# KiCad board trifecta.kicad_pcb (continued)
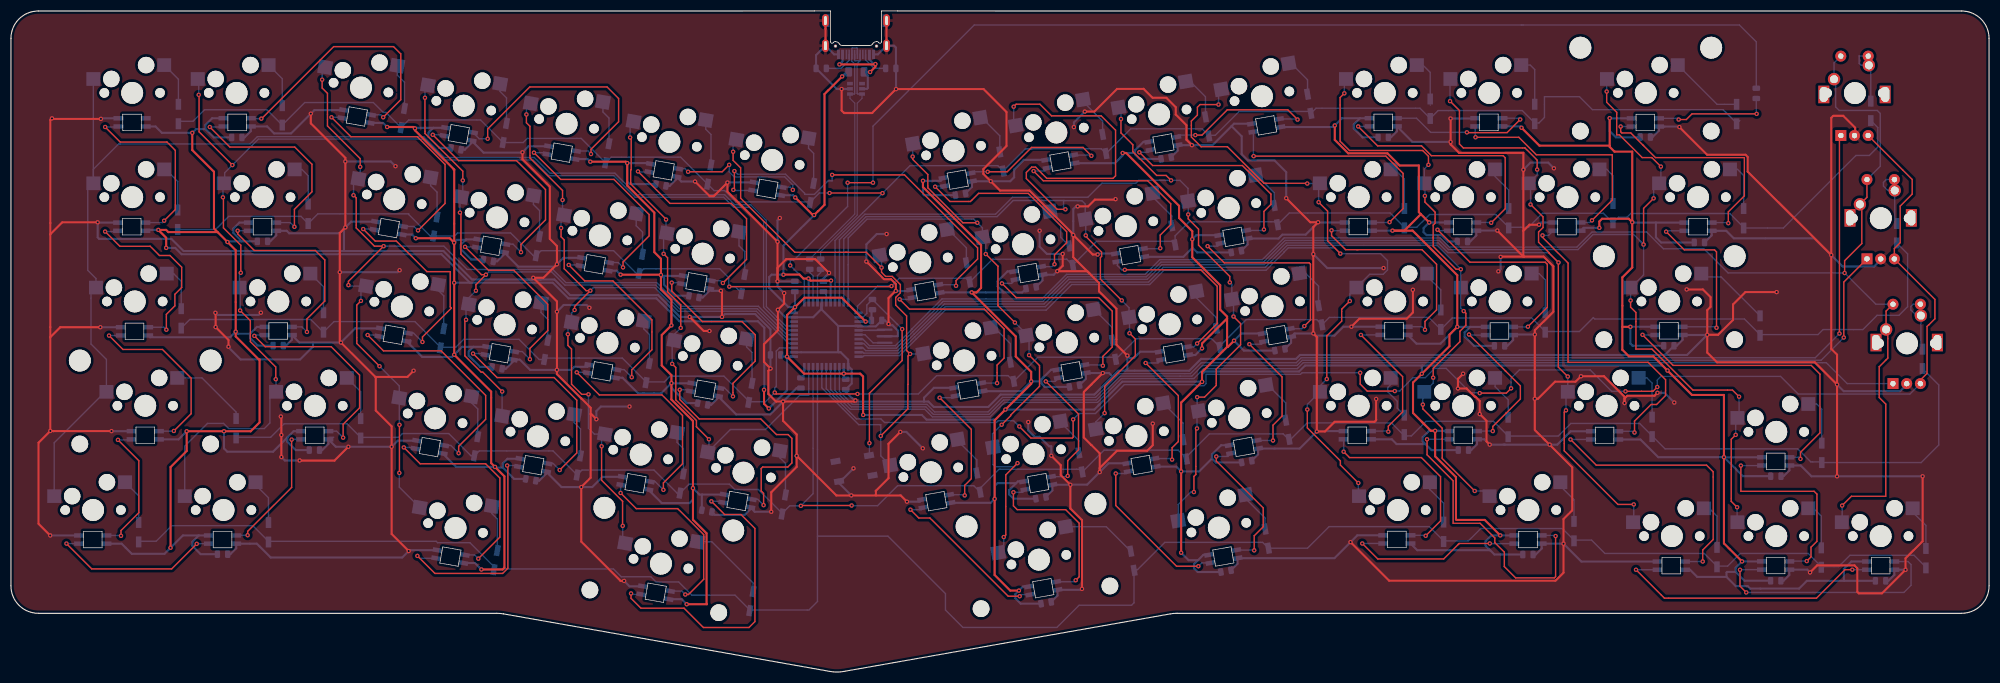
[diagram p0: board, top side]
## Nets (continued)
Net-(D_45-Pad2): D_45.2 K_45.2
Net-(D_47-Pad2): D_47.2 K_47.2
Net-(D_48-Pad2): D_48.2 K_48.2
Net-(D_49-Pad2): D_49.2 K_49.2
Net-(D_50-Pad2): D_50.2 K_50.2
Net-(D_51-Pad2): D_51.2 K_51.2
Net-(D_52-Pad2): D_52.2 K_52.2
Net-(D_53-Pad2): D_53.2 K_53.2
Net-(D_54-Pad2): D_54.2 K_54.2
Net-(D_55-Pad2): D_55.2 K_55.2
Net-(D_56-Pad2): D_56.2 K_56.2
Net-(D_57-Pad2): D_57.2 K_57.2
Net-(D_58-Pad2): D_58.2 K_58.2
Net-(D_59-Pad2): D_59.2 K_59.2
Net-(D_60-Pad2): D_60.2 K_60.2
Net-(D_62-Pad2): D_62.2 K_62.2
Net-(D_63-Pad2): D_63.2 K_63.2
Net-(D_64-Pad2): D_64.2 K_64.2
Net-(D_65-Pad2): D_65.2 K_65.2
Net-(D_66-Pad2): D_66.2 K_66.2
Net-(D_67-Pad2): D_67.2 K_67.2
Net-(D_68-Pad2): D_68.2 K_68.2
Net-(D_69-Pad2): D_69.2 K_69.2
Net-(D_70-Pad2): D_70.2 K_70.2
Net-(D_71-Pad2): D_71.2 K_71.2
Net-(D_72-Pad2): D_72.2 K_72.2
Net-(J1-PadA5): J1.A5 R2.2
Net-(J1-PadA8): J1.A8
Net-(J1-PadB5): J1.B5 R3.2
Net-(J1-PadB8): J1.B8
Net-(LED1-Pad2): LED1.2
Net-(LED1-Pad4): LED1.4 LED17.2
Net-(LED2-Pad4): LED2.4 LED3.2
Net-(LED4-Pad4): LED4.4 LED5.2
Net-(LED6-Pad4): LED6.4 LED7.2
Net-(LED8-Pad4): LED8.4 LED9.2
Net-(LED10-Pad2): LED10.2 LED26.4
Net-(LED10-Pad4): LED10.4 LED11.2
Net-(LED11-Pad4): LED11.4 LED27.2
Net-(LED12-Pad2): LED12.2 LED28.4
Net-(LED12-Pad4): LED12.4 LED13.2
Net-(LED13-Pad4): LED13.4 LED29.2
Net-(LED15-Pad2): LED15.2 LED30.4
Net-(LED15-Pad4): LED15.4 R7.1
Net-(LED17-Pad4): LED17.4 LED33.2
Net-(LED18-Pad2): LED18.2 LED34.4
Net-(LED18-Pad4): LED2.2 LED18.4
Net-(LED19-Pad2): LED3.4 LED19.2
Net-(LED19-Pad4): LED19.4 LED35.2
Net-(LED20-Pad2): LED20.2 LED36.4
Net-(LED20-Pad4): LED4.2 LED20.4
Net-(LED21-Pad2): LED5.4 LED21.2
Net-(LED21-Pad4): LED21.4 LED37.2
Net-(LED22-Pad2): LED22.2 LED38.4
Net-(LED22-Pad4): LED6.2 LED22.4
Net-(LED23-Pad2): LED7.4 LED23.2
Net-(LED23-Pad4): LED23.4 LED39.2
Net-(LED24-Pad2): LED24.2 LED40.4
Net-(LED24-Pad4): LED8.2 LED24.4
Net-(LED25-Pad2): LED9.4 LED25.2
Net-(LED25-Pad4): LED25.4 LED41.2
Net-(LED26-Pad2): LED26.2 LED42.4
Net-(LED27-Pad4): LED27.4 LED43.2
Net-(LED28-Pad2): LED28.2 LED44.4
Net-(LED29-Pad4): LED29.4 LED59.2
Net-(LED30-Pad2): LED30.2 LED45.4
Net-(LED33-Pad4): LED33.4 LED47.2
Net-(LED34-Pad2): LED34.2 LED48.4
Net-(LED35-Pad4): LED35.4 LED49.2
Net-(LED36-Pad2): LED36.2 LED50.4
Net-(LED37-Pad4): LED37.4 LED51.2
Net-(LED38-Pad2): LED38.2 LED52.4
Net-(LED39-Pad4): LED39.4 LED53.2
Net-(LED40-Pad2): LED40.2 LED54.4
Net-(LED41-Pad4): LED41.4 LED55.2
Net-(LED42-Pad2): LED42.2 LED56.4
Net-(LED43-Pad4): LED43.4 LED57.2
Net-(LED44-Pad2): LED44.2 LED58.4
Net-(LED45-Pad2): LED45.2 LED60.4
Net-(LED47-Pad4): LED47.4 LED62.2
Net-(LED48-Pad2): LED48.2 LED63.4
Net-(LED49-Pad4): LED49.4 LED64.2
Net-(LED50-Pad2): LED50.2 LED64.4
Net-(LED51-Pad4): LED51.4 LED65.2
Net-(LED52-Pad2): LED52.2 LED65.4
Net-(LED53-Pad4): LED53.4 LED66.2
Net-(LED54-Pad2): LED54.2 LED66.4
Net-(LED55-Pad4): LED55.4 LED67.2
Net-(LED56-Pad2): LED56.2 LED67.4
Net-(LED57-Pad4): LED57.4 LED68.2
Net-(LED58-Pad2): LED58.2 LED69.4
Net-(LED59-Pad4): LED59.4 LED70.2
Net-(LED60-Pad2): LED60.2 LED71.4
Net-(LED62-Pad4): LED62.4 LED63.2
Net-(LED68-Pad4): LED68.4 LED69.2
Net-(LED70-Pad4): LED70.4 LED72.2
Net-(LED71-Pad2): LED71.2 LED72.4
Net-(R1-Pad2): R1.2 SW1.2 U1.13
Net-(R4-Pad1): R4.1 U1.4
Net-(R5-Pad1): R5.1 U1.3
Net-(R6-Pad2): R6.2 U1.33
Net-(U1-Pad16): U1.16 Y1.3
Net-(U1-Pad17): U1.17 Y1.1
Net-(U1-Pad42): U1.42
Net-(U2-Pad3): U2.3
Net-(U2-Pad4): U2.4

Pads without a net: SW1 3 4

## Via types
v1: diameter 0.8, hole 0.4, Top to Bottom, 446 vias

## Routing (per net, layer and track width the routed paths; a pad name or vN(x,y) marks a point on that pad's centre or on a via; arc(x,y) is an arc through that point)
+5V: length 1920.5
  Top w0.381: v1(289.87,81.14) 289.87,82.31 290.37,82.8 295.23,82.8 v1(295.88,82.16) ; 37.71,80.36 37.05,81.02 37.05,91.38 33.09,95.35 v1(33.09,98.5) ; 37.71,80.36 v1(39.51,78.56) 41.01,77.06 v1(41.01,62.17) 41.01,61.31 45.23,57.09 45.38,57.09 45.38,45.61 43.76,43.99 v1(38.88,43.99) v1(32.07,43.99) 32.07,40.38 29.12,37.43 v1(29.12,22.7) ; 37.71,80.36 28.72,80.36 28.31,80.77 v1(26.89,80.77) 28.32,79.33 v1(28.32,77.48) ; v1(73.88,79.24) 80.06,79.24 v1(80.88,78.43) ; v1(271.79,24.96) 268.97,27.79 263.82,27.79 263.71,27.89 263.71,35.61 259.9,39.41 v1(259.9,44.07) 259.13,44.07 257.91,45.28 ; v1(295.88,82.16) 295.88,95.06 292.63,95.06 291.76,95.94 291.76,96.16 ; v1(295.88,82.16) 295.88,73.9 294.07,72.1 294.07,63.06 ; 80.89,91.74 80.79,91.74 ; 80.89,91.74 80.89,91.79 73.73,98.95 v1(73.73,99.31) 73.47,99.56 v1(68.65,99.56) ; 80.89,91.74 v1(80.89,71.12) v1(80.89,57.96) 87.63,51.21 87.63,38.17 v1(88.34,37.47) 90.05,35.76 90.05,19.06 89.73,18.74 v1(85.86,18.74) ; v1(223.21,60.52) 222.06,59.38 221.94,59.38 ; v1(118.62,72.52) 118.56,72.59 v1(111.26,72.59) ; v1(118.62,72.52) 118.62,75.49 117.41,76.7 117.41,83.92 112.46,88.87 v1(112.46,92.97) 112.21,93.23 v1(105.73,93.23) ; v1(118.62,72.52) 118.62,69.92 120.53,68.02 v1(120.53,63.33) 118.77,61.57 118.77,56 120.53,54.24 v1(120.53,52.78) 120.53,49.79 124.46,45.85 v1(124.46,33.6) 124.46,27.82 126.94,25.34 126.94,12.45 127,12.39 v1(123.32,12.39) ; v1(295.53,63.06) 294.07,63.06 ; 294.07,63.06 294.07,58.87 295.28,57.67 299.72,57.67 v1(302.32,55.07) 306.77,50.62 312.61,50.62 v1(312.61,39.25) 312.61,23.5 v1(315.91,20.21) ; 257.3,83.64 256.94,84.01 256.94,92.53 253.43,92.53 251.2,94.76 244.05,94.76 241.59,97.21 v1(241.59,99.84) ; 257.3,83.64 v1(258.82,82.12) ; 257.3,83.64 254.29,80.63 v1(252.13,80.63) 255.8,80.63 263.95,72.48 v1(263.95,63.05) 262.52,61.62 262.52,59.54 v1(257.47,54.49) 255.87,52.89 255.87,47.32 257.91,45.28 ; 291.76,96.16 v1(291.76,101.18) ; 291.76,96.16 278.93,96.16 v1(275.66,99.43) ; v1(137.43,51.55) 137.43,49.01 v1(138.31,48.14) ; 221.94,59.38 217.36,54.81 v1(217.36,53.03) 213.55,49.22 v1(213.55,36.65) v1(213.55,21.79) ; 221.94,59.38 221.94,64.59 ; v1(155.98,64.02) 151.62,68.38 144.81,68.38 v1(143.09,66.66) 141.64,65.22 141.64,58.19 141.63,58.18 v1(141.63,57.62) 144.74,54.51 v1(151.99,54.51) 154.98,54.51 155.51,53.99 155.51,46.99 v1(155.53,46.96) ; v1(202.89,94.81) 203.52,94.81 213.17,85.16 213.17,82.94 215.59,80.53 v1(215.59,79.07) 215.59,75.76 220.68,70.67 220.68,66.2 221.94,64.94 221.94,64.59 ; v1(166.44,89.73) 166.44,88.59 177.04,77.99 177.04,70.18 176.22,69.35 v1(175.33,69.35) 183.37,61.3 183.37,57.64 186.19,54.83 v1(186.19,53.09) 186.19,52.65 v1(181.49,47.95) 179.52,45.98 v1(179.52,31.63) 179.52,17.72 182.36,14.88 v1(183.95,14.88) ; 257.91,45.28 257.47,45.72 ; v1(217.36,59.13) 217.36,60.02 221.94,64.59 ; v1(143.13,86.69) 146.34,83.48 v1(146.57,83.48) 147.29,84.2 147.32,84.2 148.47,85.35 148.47,105.58 v1(151.69,108.8) ; v1(149.67,71.51) 145.91,71.51 v1(145.54,71.88) 144.63,71.88 143.9,72.6 141,72.6 v1(140.98,72.59)
  Bottom w0.25: 72.87,60.73 72.85,60.7
  Bottom w0.381: LED70.1 306.43,18.68 307.74,17.38 313.08,17.38 ; C2.1 37.01,97.67 35.5,99.18 ; 297.18,97.69 292.89,97.69 291.76,98.81 v1(291.76,101.18) 291.8,101.15 LED15.1 ; 181.17,69.35 v1(175.33,69.35) 169.56,69.35 LED23.1 ; 181.17,69.35 180.06,70.46 180.06,71.38 181.87,73.19 LED24.1 ; 181.17,69.35 184.55,69.35 C24.1 ; LED21.1 110.52,73.32 v1(111.26,72.59) ; v1(38.88,43.99) 38.88,40.85 39.48,40.25 47.84,40.25 50.43,42.84 ; 183.44,34.5 180.04,34.5 179.52,33.98 v1(179.52,31.63) 178.8,30.91 LED53.1 ; 183.44,34.5 183.76,34.82 LED54.1 ; 183.44,34.5 182.16,33.22 182.16,32.46 182.95,31.67 C54.1 ; v1(120.53,52.78) 118.69,50.93 114.43,50.93 111.6,53.76 LED37.1 ; v1(120.53,52.78) 120.53,51.92 123.32,49.13 C38.1 ; v1(120.53,52.78) 120.56,52.74 LED38.1 ; v1(143.13,86.69) 142.72,87.1 LED7.1 ; 246.19,101.17 242.92,101.17 v1(241.59,99.84) 241.3,99.55 LED11.1 ; 246.19,101.17 245.07,100.05 245.07,99.29 246.67,97.69 ; 246.19,101.17 LED12.1 ; 205.14,94.91 205.14,95.32 206.68,96.86 LED10.1 ; 205.14,94.91 205.14,94.56 205.97,93.74 C10.1 ; 205.14,94.91 205.05,94.81 v1(202.89,94.81) 202.89,94.39 201.45,92.95 LED9.1 ; 198.68,48.92 202.81,53.05 217.35,53.05 v1(217.36,53.03) 217.36,54.38 217.89,54.9 235.08,54.9 236.17,55.99 257.57,55.99 ; 198.68,48.92 198.45,48.69 ; 198.68,48.92 197.71,47.95 v1(181.49,47.95) 179.64,46.1 167.09,46.1 166.23,46.96 v1(155.53,46.96) ; v1(73.73,99.31) 73.83,99.42 77.08,99.42 ; 43.63,61.79 44.88,63.05 LED34.1 ; 43.63,61.79 43.63,61.03 45.02,59.63 C34.1 ; 43.63,61.79 41.39,61.79 v1(41.01,62.17) 39.99,61.16 25.38,61.16 LED33.1 ; 82.97,78.94 82.08,78.05 82.08,77.29 84.01,75.35 C20.1 ; 82.97,78.94 81.38,78.94 v1(80.88,78.43) ; 82.97,78.94 83.06,79.03 LED20.1 ; 215.59,77.54 216.48,76.65 C26.1 ; 215.59,77.54 v1(215.59,79.07) 216.32,79.8 LED26.1 ; 215.59,77.54 215.59,77.48 213.96,75.85 LED25.1 ; v1(289.87,81.14) 286.98,81.14 LED29.1 ; LED62.1 20.2,23.45 22.06,21.59 28.01,21.59 v1(29.12,22.7) 31.37,24.95 34.27,24.95 ; 269.94,22.26 256.64,22.26 LED68.1 ; 269.94,22.26 269.09,23.11 269.09,23.87 270.18,24.96 v1(271.79,24.96) ; 269.94,22.26 270.73,21.47 C69.1 ; 34.27,24.95 LED63.1 ; 34.27,24.95 33.11,23.79 33.11,23.03 34.61,21.53 C63.1 ; v1(141.63,57.62) 141.63,51.47 v1(138.31,48.14) ; v1(141.63,57.62) 140.8,57.62 C13.1 ; v1(141.63,57.62) 143.09,57.62 ; 258.14,41.64 259.23,40.55 C58.1 ; 258.14,41.64 257.64,42.14 257.64,42.89 258.81,44.07 260.53,44.07 ; 258.14,41.64 252.87,41.64 252,42.51 LED57.1 ; 83.77,71.12 80.89,71.12 v1(80.89,71.12) ; 83.77,71.12 98.88,71.12 101.74,68.26 117.81,68.26 120.55,65.51 ; 83.77,71.12 78.56,76.33 31.13,76.33 29.98,77.48 v1(28.32,77.48) ; 154.49,64.02 v1(155.98,64.02) 156.83,64.02 C11.1 157.04,66.01 R1.1 ; LED5.1 105.25,93.7 v1(105.73,93.23) ; 42.13,78.68 39.64,78.68 v1(39.51,78.56) ; 42.13,78.68 C18.1 ; 42.13,78.68 40.58,80.24 40.58,80.99 41.68,82.1 LED18.1 ; v1(302.32,55.07) 301.4,55.99 257.57,55.99 ; 188.43,53.84 189.82,55.23 LED40.1 ; 188.43,53.84 187.68,53.09 v1(186.19,53.09) 184.4,51.31 LED39.1 ; 188.43,53.84 188.06,53.47 188.06,52.71 188.69,52.09 C40.1 ; LED72.1 335.87,20.19 334.5,18.81 334.5,16.74 334.58,16.66 ; F1.1 152.53,109.64 v1(151.69,108.8) ; 246.67,97.69 246.64,97.67 ; 246.67,97.69 C12.1 ; C36.1 85.6,55.73 83.54,57.79 83.54,58.55 84.4,59.41 ; v1(312.61,39.25) 316.08,35.79 C60.1 ; v1(312.61,39.25) 312.63,39.23 LED60.1 ; v1(312.61,39.25) 300.61,39.25 297.38,42.48 LED59.1 ; 35.5,99.18 35.5,99.94 36.72,101.16 LED2.1 ; 35.5,99.18 33.77,99.18 v1(33.09,98.5) 27.55,98.5 26.39,99.65 LED1.1 ; 50.43,42.84 50.43,42.08 51.97,40.54 C48.1 ; 50.43,42.84 51.59,44 LED48.1 ; 266.31,63.05 v1(263.95,63.05) 260.87,59.98 256.51,59.98 LED43.1 ; 266.31,63.05 LED44.1 ; 266.31,63.05 265.3,62.04 265.3,61.28 266.99,59.59 C44.1 ; LED45.1 295.54,63.07 v1(295.53,63.06) 295.53,60.02 295.95,59.6 C45.1 ; v1(252.13,80.63) 252.12,80.62 LED27.1 ; C56.1 219.89,38.29 219.18,39 ; LED71.1 v1(315.91,20.21) 314.75,19.05 314.75,18.29 ; LED64.1 84.68,19.92 v1(85.86,18.74) ; 120.55,65.51 120.55,63.36 v1(120.53,63.33) ; 120.55,65.51 121.99,64.08 136.31,64.08 137.48,62.91 137.48,51.55 ; C50.1 91.83,35.29 89.76,37.35 ; 260.53,44.07 262.5,44.07 LED58.1 ; 260.53,44.07 v1(259.9,44.07) ; C67.1 216.58,18.28 215.91,18.95 215.91,19.71 216.63,20.43 ; LED6.1 116.64,92.97 v1(112.46,92.97) 112.46,89.61 112.93,89.13 C6.1 ; v1(213.55,21.79) 214.91,20.43 216.63,20.43 ; v1(143.09,66.66) 141.88,66.66 138.37,70.18 138.37,72.14 138.81,72.59 v1(140.98,72.59) 140.98,77.89 v1(146.57,83.48) ; v1(143.09,66.66) 143.09,65.62 ; v1(143.09,66.66) 143.09,69.45 C16.1 ; C72.1 334.58,16.66 ; 334.58,16.66 327.74,16.66 326.33,15.25 317.38,15.25 316.93,15.69 314.77,15.69 313.08,17.38 ; LED35.1 75.06,57.55 80.48,57.55 v1(80.89,57.96) 82.34,59.41 84.4,59.41 ; v1(295.88,82.16) 295.94,82.1 300.2,82.1 ; 300.2,82.1 300.2,79.41 301.15,78.47 C30.1 ; 300.2,82.1 LED30.1 ; 151.99,55.92 v1(151.99,54.51) 151.99,53.84 C9.1 ; C28.1 262.23,78.64 261.05,79.82 258.32,79.82 257.8,80.34 257.8,81.1 v1(258.82,82.12) LED28.1 ; 89.76,37.35 89.76,38.11 90.62,38.96 LED50.1 ; 89.76,37.35 88.46,37.35 v1(88.34,37.47) 81.24,37.47 LED49.1 ; v1(257.47,54.49) 257.47,55.89 257.57,55.99 ; 219.18,39 219.18,39.76 220.85,41.44 LED56.1 ; 219.18,39 216.83,36.65 v1(213.55,36.65) 212.68,37.52 LED55.1 ; C8.1 166.64,87.11 166.44,87.32 v1(166.44,89.73) 169.67,89.73 LED8.1 ; 145.59,67.32 145.59,71.83 v1(145.54,71.88) ; 126.14,32.42 LED52.1 ; 126.14,32.42 125.64,32.42 v1(124.46,33.6) 124.46,31.5 123.83,30.87 118.76,30.87 LED51.1 ; 126.14,32.42 126.08,32.36 C52.1 ; LED13.1 275.42,99.67 v1(275.66,99.43) ; 313.08,17.38 313.08,18.19 313.19,18.29 314.75,18.29 ; U1.7 149.59,71.42 v1(149.67,71.51) ; C66.1 184.27,12.5 183.3,13.47 183.3,14.23 v1(183.95,14.88) 184.7,15.63 LED66.1 ; 84.4,59.41 LED36.1 ; 216.63,20.43 217.61,21.41 LED67.1 ; 314.75,18.29 316.37,16.68 C71.1 ; v1(217.36,59.13) 216.14,57.9 LED41.1 ; LED19.1 73.2,79.92 v1(73.88,79.24) ; C22.1 121.19,68.75 119.19,70.75 119.19,71.95 v1(118.62,72.52) 118.78,72.36 LED22.1 ; v1(271.79,24.96) 271.47,24.96 ; v1(271.79,24.96) LED69.1 ; v1(26.89,80.77) 24.7,80.77 LED17.1 ; 77.08,99.42 LED4.1 ; 77.08,99.42 76.19,98.52 76.19,97.76 78.21,95.74 C4.1 ; LED47.1 30.58,42.5 v1(32.07,43.99) ; LED3.1 67.9,100.31 v1(68.65,99.56) ; LED65.1 122.4,13.31 v1(123.32,12.39) ; C42.1 225.01,58.72 v1(223.21,60.52) 224.53,61.85 LED42.1
GND: length 2454.6
  Top w0.381: v1(7.18,44.04) 5.04,41.9 5.04,27.08 v1(7.17,24.95) ; v1(7.18,44.04) 7.18,61.17 ; v1(7.18,44.04) 7.21,44.01 v1(18.35,44.01) ; v1(7.18,44.04) 7.17,44.03 ; v1(322.23,69.4) 316.53,69.4 314.28,67.15 314.28,64.33 311.54,61.6 v1(309.57,61.6) ; v1(163.52,31.12) 162.37,32.27 157.84,32.27 ; 66.49,53.91 v1(60.21,60.19) 60.01,60.4 v1(60.01,73.05) 60.01,80.21 v1(61.03,81.22) v1(61.03,93.26) 61.03,93.92 54.73,100.22 v1(54.73,102) ; 66.49,53.91 66.58,53.83 66.58,47.77 69.47,44.88 v1(69.47,41.16) 69.47,25.22 v1(72.58,22.11) ; 66.49,53.91 72.36,53.91 v1(73.49,55.04) ; 105.79,47.13 105.89,47.13 v1(106.83,46.19) ; 105.79,47.13 105.79,48.28 104.09,49.98 104.08,49.98 99.64,54.43 v1(99.64,55.19) v1(99.64,65.82) 99.64,67.7 v1(95.32,72.02) 97.16,72.02 v1(99.64,74.49) 99.64,77.83 98.34,79.12 98.34,88.68 93.35,93.67 v1(93.35,94.94) ; 105.79,47.13 105.79,35.5 v1(104.08,33.79) 104.08,23.82 111.26,16.64 v1(111.89,16.64) ; v1(305.82,69.89) 308.77,69.89 310.18,68.48 310.18,66.72 309.57,66.11 v1(309.57,61.6) ; v1(194.67,85.06) 196.59,85.06 197.82,86.3 201.5,86.3 v1(201.59,86.39) ; v1(143.39,39.5) 143.39,43.4 140.91,45.89 v1(140.91,49.41) ; v1(143.39,39.5) 150.63,32.27 v1(153.36,32.27) 157.84,32.27 ; v1(143.39,39.5) 143.39,37.48 138.75,32.84 v1(138.75,29.28) ; 157.84,32.27 157.84,33.11 160.15,35.42 160.15,41.7 v1(162.31,43.86) ; 196.79,72.84 196.41,73.22 v1(190.95,73.22) 191.94,74.21 v1(191.94,76.38) ; 196.79,72.84 198.57,71.06 198.57,69.54 201.74,66.37 201.74,59.8 v1(203.73,57.81) ; 196.79,72.84 193.87,75.76 v1(193.87,79.83) ; v1(195.46,15.18) 195.46,27.76 193.34,29.88 v1(193.34,34.21) 191.58,35.97 191.58,37.79 v1(189.86,39.51) ; 237.68,75.95 v1(237.68,76.34) ; 237.68,75.95 237.68,81.29 v1(238.55,82.17) 237.12,82.17 v1(232.73,86.56) ; 237.68,75.95 v1(237.68,61.85) 238.31,61.21 v1(238.31,43.95) 239.82,43.95 241.57,45.71 248.84,45.71 249.14,46 v1(249.14,49.89) ; 276.01,75.89 v1(271.25,80.65) ; 276.01,75.89 276.01,80.6 ; 276.01,75.89 276.21,75.89 ; 279.97,42.35 284.93,37.39 284.93,29.54 283.34,27.95 v1(283.34,23.44) 283.34,18.15 281.88,16.69 251.51,16.69 v1(244.47,23.73) ; 279.97,42.35 278.1,44.22 v1(278.1,49.92) ; 279.97,42.35 279.76,42.55 ; 7.18,79.97 7.18,100.83 v1(7.48,101.14) 7.58,101.04 v1(16.42,101.04) ; 7.18,79.97 9.36,82.15 v1(15.83,82.15) ; 7.18,79.97 7.18,61.17 ; v1(332.2,76.17) 316.94,91.42 316.94,94.1 316.56,94.49 309.54,94.49 v1(304.48,99.55) ; v1(332.2,76.17) 332.2,101.23 332.57,101.6 334.39,101.6 336.56,99.42 336.56,98.01 ; v1(332.2,76.17) 332.2,59.04 333.25,57.98 v1(333.25,52.52) ; 276.01,80.6 277.12,81.71 v1(278.87,81.71) ; 276.01,80.6 v1(276.01,91.76) 276.01,94.84 264.27,94.84 262.73,96.38 v1(262.73,96.84) v1(262.73,101.11) ; 276.21,75.89 279.7,75.89 281.47,74.12 281.47,65.8 278.1,62.43 v1(278.1,61.66) v1(278.1,49.92) ; 276.21,75.89 271.92,75.89 v1(271.86,75.83) ; 7.18,61.17 9.01,62.99 v1(16.31,62.99) ; v1(198.31,76.27) 197.43,76.27 v1(193.87,79.83) ; v1(300.49,51.01) 299.94,50.47 294.98,50.47 294.46,49.95 v1(294.46,49.14) 294.46,50.3 290.72,54.04 v1(286.52,54.04) 285.53,53.04 281.79,53.04 278.68,49.92 v1(278.1,49.92) ; v1(61.57,41.16) 59.04,38.62 52.71,38.62 v1(52.69,38.65) ; v1(333.25,52.52) 329.19,56.59 311.34,56.59 309.57,58.36 v1(309.57,61.6) ; v1(333.25,52.52) v1(333.25,35.76) ; v1(215.52,96.25) 214.52,97.25 214.52,99.88 212.57,101.83 212.57,103.19 210.85,104.9 208.34,104.9 206.72,106.52 201.85,106.52 197.71,102.38 v1(195.97,102.38) ; v1(140.91,49.41) 153.91,49.41 v1(154.12,49.62) ; v1(140.91,49.41) 139.62,49.41 138.22,50.8 138.22,55.04 v1(138.62,55.44) 137.42,56.65 137.42,59.89 139.96,62.43 v1(139.96,66.17) 141.1,67.32 v1(141.1,69.22) ; v1(348.87,35.76) 348.87,23.89 345.75,20.77 v1(345.75,18.68) 341.45,14.38 337.22,14.38 336.96,14.64 336.96,18.95 336.42,19.48 329.62,19.48 v1(328.33,18.19) ; v1(199.26,54.62) 195.79,51.15 195.79,42.85 197.16,41.47 197.17,41.47 198.7,39.95 v1(198.7,36.52) 198.7,37.27 201.84,40.42 207.36,40.42 208.37,41.43 v1(208.37,45.38) ; v1(160.16,63.58) 160.16,68.34 161.42,69.6 v1(161.48,69.6) 161.48,70.88 160.61,71.76 159.34,71.76 v1(156.11,74.99) ; J1.S1 J1.S1 ; v1(255.85,69.82) 255.85,65.67 254.73,64.55 246.1,64.55 v1(244.62,63.08) ; v1(151.59,106.5) 151.59,102.57 152.04,102.12 157.15,102.12 v1(161.52,106.49) 177.5,106.49 181.68,102.31 181.68,96.08 177.46,91.86 177.46,91 v1(178.81,89.66) 180.51,87.96 185.87,87.96 193.87,79.95 v1(193.87,79.83) ; v1(49.25,46.68) 49.35,46.58 v1(49.35,43.3) v1(49.35,39.28) ; v1(149.29,72.9) 146.76,75.43 141.49,75.43 139.89,73.83 v1(139.89,71.38) v1(139.89,78.61) 130.75,87.75 v1(130.75,89.42) 128.27,86.94 127.51,86.94 v1(124.84,89.61) ; v1(129.56,69.64) 129.76,69.44 v1(129.76,64.87) ; v1(127.47,62.3) 126.43,62.3 v1(123.87,64.87) ; v1(39.7,59.43) 39.7,60.67 v1(37.35,63.02) 37.35,65.65 37.33,65.65 v1(37.31,65.62) ; J1.S1 J1.S1 ; v1(265.01,54.49) 264.07,53.55 v1(264.07,51.8) 265.65,51.8 267.14,50.31 267.26,50.31 268.04,49.52 v1(268.04,47.13) 269.29,45.88 269.29,42.12 v1(269.87,41.54) ; 45.58,65.67 v1(45.6,65.64)
  Bottom w0.25: 233.83,61.27 234.42,61.86 ; 58.06,42.89 58.91,42.89
  Bottom w0.381: LED15.3 304.39,99.65 v1(304.48,99.55) ; LED15.3 301.77,99.65 ; LED15.3 300.77,98.92 299.54,97.69 299.05,97.69 ; 151.08,58.42 150.96,58.54 150.96,63.22 ; 151.08,58.42 151.42,58.42 152.79,57.05 152.79,55.92 153.43,55.27 153.43,52.7 C9.2 152.34,51.19 154.12,49.41 166.63,49.41 ; 151.08,58.42 143.09,58.42 ; C1.2 148.28,71.89 v1(149.29,72.9) ; C40.2 196.16,53.55 LED40.3 v1(199.26,54.62) 200.4,54.62 201.03,54 ; v1(153.36,32.27) 151.13,34.49 SW1.1 151.4,34.84 v1(153.76,37.2) ; LED53.3 165.88,31.12 v1(163.52,31.12) ; 272.64,41.54 272.36,41.54 ; 272.64,41.54 v1(269.87,41.54) 268.89,42.52 LED58.3 267.55,41.61 266.49,40.55 C58.2 ; 272.64,41.54 v1(280.81,41.54) 282.2,41.54 284.64,43.98 LED59.3 ; v1(106.83,46.19) 106.83,47.67 107.67,48.5 v1(112.88,48.5) ; C60.2 323.51,35.79 324.57,36.84 LED60.3 326.61,37.73 328.59,35.76 v1(333.25,35.76) v1(348.87,35.76) ; LED11.3 223.19,100.16 222.75,99.72 ; v1(303.55,49.23) 301.77,51.01 v1(300.49,51.01) ; C36.2 90.31,55.41 91.55,56.65 LED36.3 92.87,57.06 94.75,55.19 v1(99.64,55.19) 102.24,55.19 102.8,55.75 105.2,55.75 LED37.3 ; C4.2 82.82,95.41 84.06,96.65 LED4.3 86.25,94.88 93.29,94.88 v1(93.35,94.94) 94.46,96.05 LED5.3 ; 278.12,57.92 238.41,57.92 ; 278.12,57.92 278.1,57.95 v1(278.1,61.66) 274.25,61.66 LED44.3 274.14,60.65 273.09,59.59 C44.2 ; 278.12,57.92 301.79,57.92 ; LED21.3 100.81,75.67 v1(99.64,74.49) 99.2,74.06 92.6,74.06 LED20.3 89.97,76.27 88.72,75.03 C20.2 ; v1(156.11,74.99) 156.11,78.12 158,80.01 v1(159.8,80.01) ; 150.96,63.22 147.99,66.18 147.99,67.32 147.85,67.18 147.85,66.25 146.41,64.82 141.32,64.82 v1(139.96,66.17) ; 150.96,63.22 154.49,63.22 154.56,63.14 157.83,63.14 C11.2 159.51,64.23 v1(160.16,63.58) 160.39,63.35 160.87,63.35 161.87,62.35 161.87,61.41 161.8,61.35 Y1.2 ; v1(162.31,43.86) 163.41,43.86 v1(166.4,40.87) ; 60.77,76.91 78.93,76.91 84.14,71.7 93.29,71.7 ; 60.77,76.91 60.77,80.97 v1(61.03,81.22) ; 60.77,76.91 31.5,76.91 29.28,79.13 16.1,79.13 15.83,79.4 v1(15.83,82.15) 15.88,82.1 LED17.3 ; v1(141.1,69.22) 139.89,70.43 v1(139.89,71.38) 139.91,71.37 C16.2 ; C34.2 50.2,59.63 51.27,60.71 LED34.3 52.63,60.19 55.13,60.19 ; LED51.3 107.95,35.66 106.08,33.79 v1(104.08,33.79) 100.48,33.79 LED50.3 97.65,36.2 96.41,34.96 C50.2 ; v1(138.75,29.28) 135.72,29.28 LED52.3 134.92,29.72 133.91,28.71 128.46,28.71 C52.2 ; v1(139.89,78.61) 139.89,82.51 v1(140.32,82.94) ; LED41.3 206.08,58.51 204.92,57.35 204.2,57.35 v1(203.73,57.81) 203.73,55.42 203.36,55.05 ; C24.2 188.25,71.53 LED24.3 190.3,72.58 v1(190.95,73.22) ; C8.2 175.38,88.61 LED8.3 178.8,89.65 v1(178.81,89.66) 182.36,89.66 183.07,90.37 183.07,91.78 184.86,93.56 LED9.3 ; v1(111.89,16.64) 112.88,15.66 LED65.3 ; v1(185.65,45.67) 185.65,44.15 186.83,42.97 187.73,42.97 189.46,41.24 189.86,41.24 v1(189.86,39.51) ; v1(49.35,39.28) 49.98,38.65 v1(52.69,38.65) ; v1(232.73,86.56) 232.73,91.32 230.61,93.45 225.75,93.45 224.6,94.59 224.6,97.86 222.75,99.72 ; v1(191.94,76.38) 189.05,76.38 187.73,77.7 v1(187.73,80.62) ; v1(276.01,91.76) 277.31,93.06 280.54,93.06 v1(281.58,92.01) ; 222.75,99.72 219.28,96.25 v1(215.52,96.25) LED10.3 212.92,95.24 C10.2 ; LED68.3 245.71,24.98 v1(244.47,23.73) 241.54,20.81 LED67.3 223.85,19.79 C67.2 ; v1(60.01,73.05) 70.58,73.05 v1(70.93,73.4) ; v1(61.03,81.22) 59.95,80.15 50.78,80.15 50.32,80.6 LED18.3 48.41,79.77 47.32,78.68 C18.2 ; v1(61.03,81.22) 62.07,82.27 LED19.3 ; LED29.3 279.27,82.11 v1(278.87,81.71) ; U2.2 153.08,106.5 v1(151.59,106.5) 150.7,106.5 R2.1 146.93,112.7 J1.S1 150.22,112.83 J1.A1B12 ; v1(237.68,61.85) 238.41,61.12 238.41,57.92 ; v1(237.68,61.85) 238.08,61.45 241.53,61.45 243.16,63.08 v1(244.62,63.08) LED43.3 ; v1(237.68,61.85) 234.23,61.85 LED42.3 233.62,60.16 C42.2 ; v1(250.49,73.79) 240.22,73.79 v1(237.68,76.34) ; v1(95.32,72.02) 95.63,71.7 96.65,71.7 ; v1(95.32,72.02) 95,71.7 93.29,71.7 ; v1(95.32,72.02) 95.32,71.83 95.19,71.7 ; 96.65,71.7 99.19,71.7 102.05,68.84 118.11,68.84 122.09,64.87 v1(123.87,64.87) v1(129.76,64.87) 130.29,65.39 135.82,65.39 138.6,62.61 C13.2 138.6,55.46 v1(138.62,55.44) ; 96.65,71.7 95.19,71.7 ; 55.13,60.19 55.13,59.46 52.77,57.1 41.92,57.1 39.7,59.32 v1(39.7,59.43) ; 55.13,60.19 v1(60.21,60.19) 62.8,62.78 LED35.3 ; 203.36,55.05 202.08,55.05 201.03,54 ; 203.36,55.05 215.04,55.05 217.2,57.21 234.54,57.21 235.25,57.92 238.41,57.92 ; LED33.3 16.31,62.99 v1(16.31,62.99) ; v1(16.42,101.04) 16.53,101.15 LED1.3 19.59,101.14 ; v1(193.87,79.83) 193.87,84.57 194.36,85.06 v1(194.67,85.06) ; LED27.3 238.6,82.12 v1(238.55,82.17) 236.28,79.9 232.04,79.9 231.33,79.19 LED26.3 225.68,78.1 C26.2 ; 201.03,54 197.71,50.68 180.61,50.68 178.35,48.43 168.41,48.43 167.43,49.41 166.63,49.41 ; v1(99.64,65.82) 100.87,67.05 105.05,67.05 v1(105.56,66.54) ; SW4.C 345.96,52.49 344.78,51.3 334.47,51.3 v1(333.25,52.52) ; v1(161.52,106.49) 161.52,110.26 R3.1 161.5,114.07 161.16,114.41 J1.S1 158.21,112.83 J1.B1A12 ; C72.2 342.62,16.66 343.72,17.76 LED72.3 345.74,18.69 v1(345.75,18.68) ; C71.2 323.49,16.68 324.55,17.74 LED71.3 327.82,18.71 v1(328.33,18.19) ; LED64.3 72.74,22.26 v1(72.58,22.11) 71.4,20.92 47.4,20.92 44.87,23.45 LED63.3 41.11,22.61 40.04,21.53 C63.2 ; 93.29,71.7 95.19,71.7 ; LED39.3 168.44,51.92 166.63,50.11 166.63,49.41 ; v1(193.99,99.55) 193.99,99.55 193.99,100.4 v1(195.97,102.38) ; LED13.3 267.15,101.11 v1(262.73,101.11) ; LED23.3 164.02,69.6 v1(161.48,69.6) ; v1(45.6,65.64) 45.18,65.22 37.71,65.22 v1(37.31,65.62) ; v1(18.35,44.01) 18.36,44 LED47.3 21.98,44.04 ; 301.79,57.92 301.82,57.92 C45.2 303.99,59.6 305.08,60.69 LED45.3 309.53,61.57 v1(309.57,61.6) 305.89,57.92 301.79,57.92 ; C2.2 42.64,97.67 43.78,98.81 LED2.3 46.75,99.66 48.02,98.39 51.12,98.39 v1(54.73,102) 55.38,102.65 LED3.3 ; LED57.3 238.38,44.01 v1(238.31,43.95) 235.19,40.83 LED56.3 227.6,39.77 C56.2 ; LED55.3 200.3,38.13 v1(198.7,36.52) 196.41,34.23 193.66,34.23 193.64,34.21 v1(193.34,34.21) LED54.3 190.06,33.18 C54.2 ; C66.2 190.99,13.97 LED66.3 195.29,15.02 v1(195.46,15.18) ; C22.2 126.25,68.43 127.43,69.6 LED22.3 127.81,69.64 v1(129.56,69.64) ; LED62.3 v1(7.17,24.95) ; C12.2 251.86,97.69 252.94,98.78 LED12.3 255.77,96.84 v1(262.73,96.84) ; C28.2 266.31,78.64 267.42,79.76 LED28.3 267.45,80.65 v1(271.25,80.65) ; C30.2 310.38,79.77 LED30.3 313.04,80.6 314.41,79.23 329.14,79.23 v1(332.2,76.17) 334.29,74.08 340.03,74.08 341.21,75.27 SW3.C ; v1(61.03,93.26) 69.31,93.26 v1(70.17,92.4) ; v1(130.75,89.42) 130.78,89.45 LED7.3 ; v1(124.84,89.61) 122.32,89.61 LED6.3 121.46,90.05 120.22,88.81 C6.2 ; 158.13,61.34 160.63,61.34 ; v1(271.86,75.83) 271.86,73.62 v1(271.44,73.2) ; C69.2 278.27,21.47 279.36,22.56 LED69.3 283.32,23.46 v1(283.34,23.44) 286.6,20.18 LED70.3 ; C38.2 127.78,48.8 129.02,50.04 LED38.3 132.35,47.06 138.56,47.06 v1(140.91,49.41) 143.36,51.86 R6.1 ; LED25.3 198.5,76.46 v1(198.31,76.27) ; C48.2 56.8,40.54 57.94,41.68 LED48.3 59.28,41.16 v1(61.57,41.16) v1(69.47,41.16) 70.58,42.27 LED49.3
VBUS: length 18.4
  Top w0.381: v1(156.79,109.6) 157.76,110.57 v1(157.76,111.06) 157.69,111 v1(151.19,111)
  Bottom w0.381: J1.B4A9 156.67,111.85 157.46,111.06 v1(157.76,111.06) ; J1.A4B9 151.77,111.57 v1(151.19,111) ; v1(156.79,109.6) 155.71,109.6 F1.2 156.38,108.94 156.38,106.69 156.23,106.54 U2.5
0col: length 306.1
  Top w0.25: K_61.1 342.52,62.27 342.52,57.34 340.95,55.77 340.95,50.14 342.14,48.96 342.14,32.11 335.88,32.11 v1(334.18,30.41) ; K_61.1 342.14,62.52 ; K_61.1 342.21,65.93 SW4.S2 ; K_61.1 342.95,61.84 ; 337.39,85.4 K_46.1 ; K_46.1 337.78,85.1 337.78,78.27 334.64,75.13 v1(334.64,72.89) ; K_46.1 338.71,86.73 SW3.S2
  Bottom w0.25: v1(334.18,30.41) 334.18,27.43 K_72.1 ; K_61.1 342.21,61.91 ; 154.49,60.82 155.45,60.82 156.66,59.61 161.4,59.61 164.41,62.62 164.41,62.66 169.91,68.16 188.17,68.16 192.66,72.65 206.98,72.65 209.66,75.33 228.38,75.33 232.35,79.3 260.84,79.3 262.52,77.62 285.78,77.62 288.53,80.38 298.51,80.38 301.57,77.31 308.96,77.31 313.37,72.91 334.62,72.91 v1(334.64,72.89) 340.34,67.19 SW4.S2 ; SW2.S2 332.71,111.27 K_31.1 333,108.01 333,103.24 333.65,102.59 340.59,102.59 341.14,102.04 341.14,92.39 SW3.S2
0row: length 13
  Bottom w0.25: 339.06,104.76 339.54,104.29 ; 339.06,103.93 339.56,103.43 ; D_31.2 339.41,110.49 K_31.2 337.64,110.84 337.29,111.19 337.29,112.55 337.33,112.51 SW2.S1
1row: length 11.7
  Bottom w0.25: SW3.S1 342.24,89.97 341.72,89.45 341.72,88.77 342.52,87.98 K_46.2 343.78,82.29 D_46.2 ; 344.16,81.24 344.32,81.08
2row: length 12
  Top w0.25: K_61.2 347.59,65.12
  Bottom w0.25: SW4.S1 347.14,67.19 346.72,66.77 346.72,66.15 347.75,65.12 K_61.2 348.56,59.25 D_61.2
col0: length 239.7
  Bottom w0.25: 15.06,108.32 K_1.1 K_17.1 ; K_17.1 15.04,91.85 19.66,96.46 19.96,96.46 ; K_17.1 14.01,88.26 14.01,73.39 15.52,71.89 K_33.1 14.61,69.33 14.61,59.93 17.42,57.11 K_47.1 17.19,51.18 7.9,41.89 K_62.1 ; 19.96,96.46 43.63,96.46 44.96,97.8 75.31,97.8 79.12,93.99 95.51,93.99 98.37,91.13 110.21,91.13 114.15,87.19 130.24,87.19 132.08,85.35 135,85.35 137.85,82.5 137.85,66.75 141.39,63.22 143.09,63.22 ; 19.96,96.46 19.75,96.46
col1: length 227.4
  Top w0.25: v1(41.94,72.93) 41.94,77.97 38.78,81.14 38.78,86.63 v1(38.69,86.72) ; v1(34.27,105.45) 34.33,105.38 34.33,98.68 v1(40.41,92.61) ; v1(48.32,53.49) 48.32,55.73 43.69,60.36 43.69,64.19 v1(41.82,66.05)
  Bottom w0.25: v1(38.69,86.72) 38.69,89.12 K_18.1 39,89.43 39,91.2 v1(40.41,92.61) 45.15,97.35 75.13,97.35 78.94,93.54 95.32,93.54 98.18,90.68 109.99,90.68 113.93,86.74 130.06,86.74 131.9,84.9 134.82,84.9 137.35,82.37 137.35,66.62 141.56,62.42 143.09,62.42 142.09,62.42 ; v1(48.32,53.49) 48.38,53.44 K_48.1 47.25,50.06 47.25,45.5 46.23,44.47 39.75,44.47 38.8,45.42 35.87,45.42 31.71,41.26 K_63.1 ; v1(34.27,105.45) 34.27,108.16 K_2.1 ; v1(41.94,72.93) 41.71,72.7 K_34.1 41.82,70.12 v1(41.82,66.05)
